# Altium PCB PCB1.PcbDoc (part 2 of 3)
Units mm, origin at the board's own origin, x right, y up, seen from the top; angles counter-clockwise.
Board outline 80 x 100 mm, 4 copper layers (Top Layer, Layer 1, Layer 2, Bottom Layer), stack 1.683 mm thick; 223 components, 229 nets, 969 pads, 380 vias.
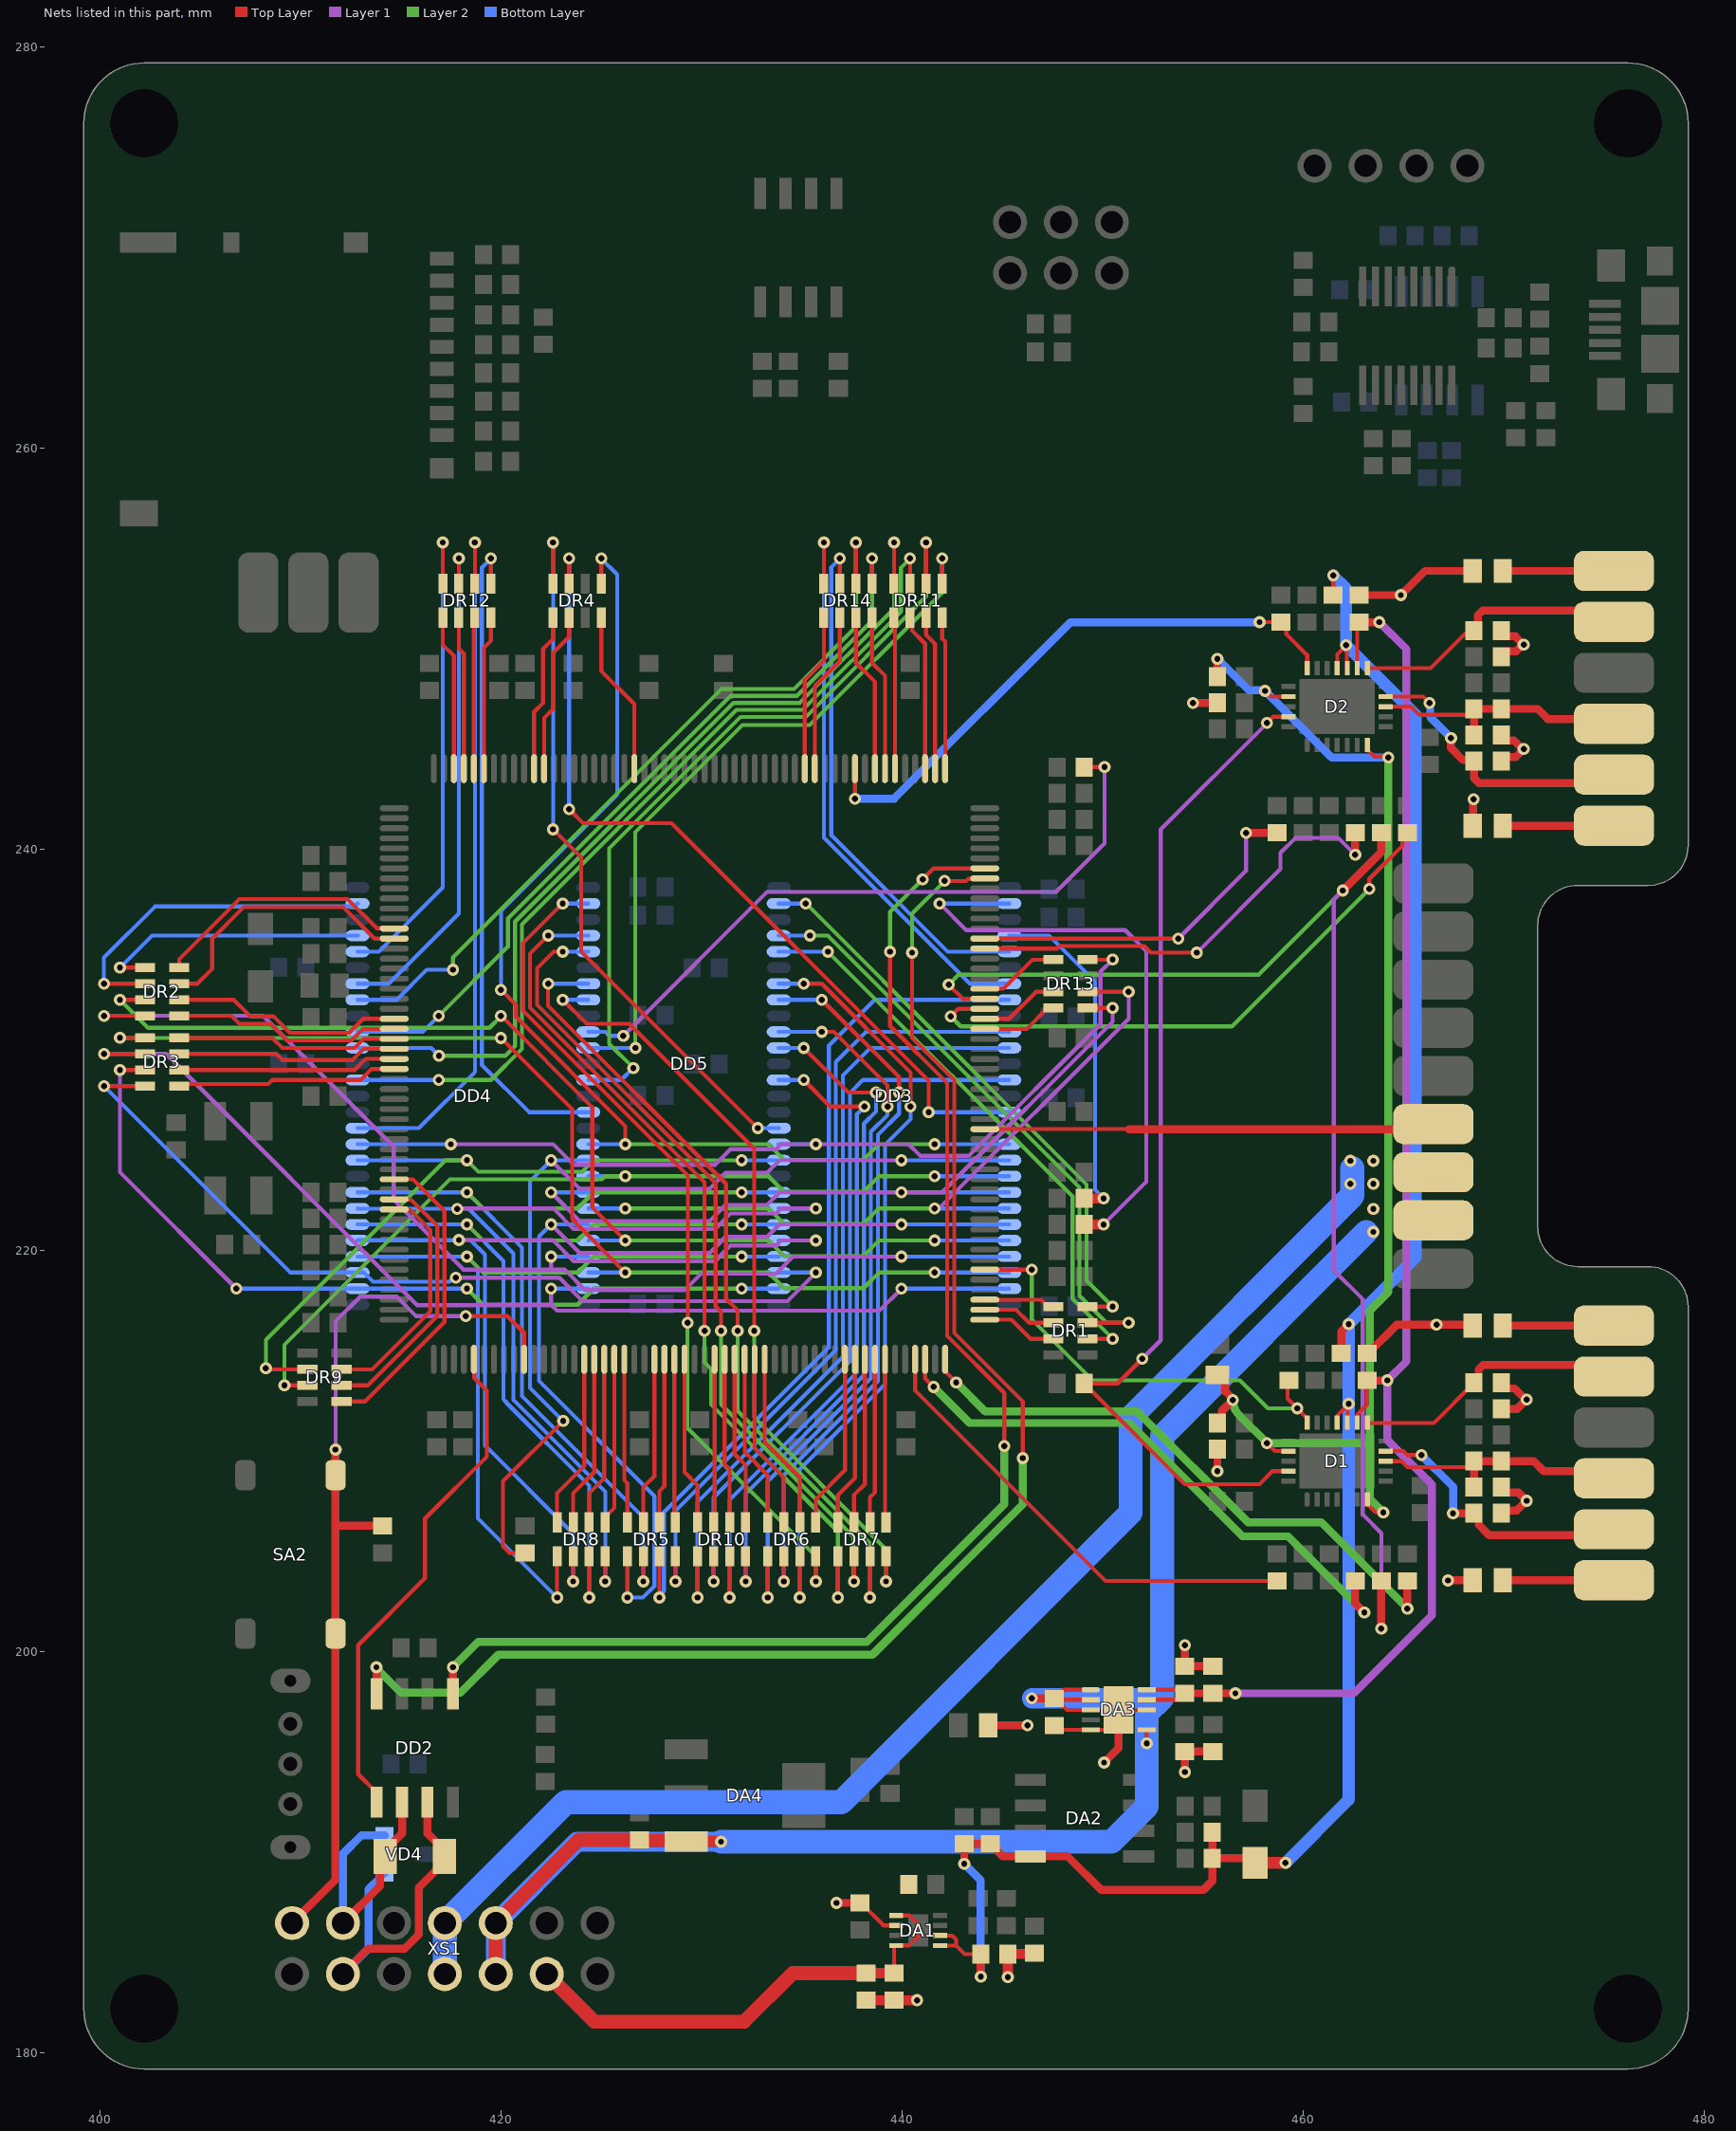
[diagram p4: the nets of this part, all layers, seen from the top]

## Via types
v1: diameter 0.6, hole 0.3, Top Layer to Bottom Layer, tented both sides, 380 vias

## Nets (pads, with @x,y where several pads share a name; then routed paths per layer and width w, separated by ;. In a path a pad name is that pad's centre, name@x,y a point inside that pad or via, vN(x,y) a via of type N, cw(c..) or ccw(c..) an arc to the next point about the centre after c; other vN are vias at no path point) (continued)
4V: C20.1 C21.1 DA3.1 DA3.2 DA3.3 DA3.6 DA4.3 X19.1 XS1.5 XS1.6 | length 100.1
  Top Layer w0.2: DA3.3@449.405,197.1 448.225,197.1 C20.1@447.725,197.6 ; DA3.2@449.405,197.6 C20.1@447.725,197.6 ; DA3.1@449.405,198.1 448.075,198.1 447.65,197.675 C20.1@447.6,197.675 447.675,197.6 C20.1@447.725,197.6 ; DA3.6@452.195,196.1 452.195,195.48 452.2,195.475 v1(452.2,195.425)
  Top Layer w0.4: v1@430.966,190.534 v1(430.975,190.525) ; v1(446.475,197.675) C20.1@447.6,197.675
  Top Layer w0.6: DA4.3@429.239,190.534 v1@430.966,190.534
  Top Layer w0.7: XS1.6@419.74,183.93 XS1.5@419.74,186.47 423.895,190.625 C21.1@426.9,190.625 426.946,190.579 429.194,190.579 DA4.3@429.239,190.534
  Bottom Layer w1: XS1.6@419.74,183.93 XS1.5@419.74,186.47 423.795,190.525 v1(430.975,190.525) ; v1(446.475,197.675) 452.95,197.675 452.975,197.7
  Bottom Layer w1.2: v1(430.975,190.525) 450.45,190.525 452.2,192.275 v1(452.2,195.425) 452.2,196.925 452.975,197.7 452.975,210.75 463.15,220.925
  other v1: 463.5,220.925 463.5,222.075
8V: X18.1 XS1.7 XS1.8 | length 67
  Bottom Layer w1.2: XS1.8@417.2,183.93 XS1.7@417.2,186.47 423.23,192.5 436.975,192.5 451.4,206.925 451.4,211.682 462.45,222.732 462.45,224.1
  other v1: 462.35,223.325 463.5,223.325 462.35,224.475 463.5,224.475
+2v5: C1.1 C2.1 C28.1 C32.1 D1.14 D2.14 DA3.9 DA3.10 | length 76
  Top Layer w0.2: DA3.9@452.195,197.6 453.775,197.6 C28.1@454.1,197.925 453.925,198.1 DA3.10@452.195,198.1 ; D1.14@462.7,211.416 462.727,211.443 462.727,211.852 463.2,212.325 C1.1@463.2,213.525 ; D2.14@462.7,249.032 462.7,251.225 C2.1@462.8,251.325
  Top Layer w0.4: C28.1@454.1,197.925 C32.1@455.5,197.925 v1(456.625,197.925) ; C2.1@462.8,251.325 v1(463.8,251.325) ; C1.1@463.2,213.525 v1(464.2,213.525)
  Layer 1 w0.4: v1(456.625,197.925) 462.525,197.925 466.425,201.825 466.425,208.325 464.2,210.55 v1(464.2,213.525) 465.15,214.475 465.15,249.975 v1(463.8,251.325)
-2v5: C7.2 C8.2 C18.2 C19.2 C22.2 C24.2 C29.2 C30.1 D1.15 D1.16 D2.15 D2.16 DA1.1 DA1.2 DA2.4 | length 106.9
  Top Layer w0.2: DA1.1@441.89,185.35 442.7,185.35 ; DA1.2@441.89,185.85 442.5,185.85 442.7,185.65 442.7,185.35 ; C30.1@443.925,184.925 443.125,184.925 442.7,185.35 ; C8.2@461.5,252.675 v1(461.5,253.65) ; D1.16@461.7,211.416 461.727,211.443 461.727,211.802 v1@462.173,212.248 ; D2.16@461.7,249.032 461.7,249.725 v1(462.15,250.175) 462.175,250.15 462.175,249.057 D2.15@462.2,249.032 ; D1.15@462.2,211.416 462.227,211.443 462.227,212.193 v1@462.173,212.248 ; v1(462.275,212.35) v1@462.173,212.248
  Top Layer w0.4: v1(443.1,189.425) C18.2@443.1,190.425 C19.2@444.4,190.425 444.45,190.425 444.675,190.2 444.675,190.15 445.03,189.795 DA2.4@446.4,189.795 448.255,189.795 449.925,188.125 455.025,188.125 455.475,188.575 C22.2@455.475,189.7 ; v1(443.925,183.8) C30.1@443.925,184.925 ; C24.2@455.475,191 C22.2@455.475,189.7 ; C29.2@457.6,189.475 457.375,189.7 C22.2@455.475,189.7 ; C7.2@461.9,214.875 461.9,215.95 v1(462.275,216.325)
  Top Layer w0.6: C29.2@457.6,189.475 v1(459.125,189.475)
  Bottom Layer w0.4: v1(443.1,189.425) 443.925,188.6 v1(443.925,183.8)
  Bottom Layer w0.6: v1(459.125,189.475) 462.275,192.625 v1(462.275,212.35) v1(462.275,216.325) 465.625,219.675 465.625,246.7 v1(462.15,250.175) 462.15,253 v1(461.5,253.65)
ADC1_C\S\: DD5.102 R12.1 | length 29.4
  Top Layer w0.2: DD5.102@441.15,214.575 441.15,213.625 v1(441.575,213.2)
  Top Layer w0.4: R12.1@462.6,203.525 462.6,202.4 v1(463.05,201.95)
  Layer 2 w0.4: v1(441.575,213.2) 443.375,211.4 451.325,211.4 456.975,205.75 459.25,205.75 v1(463.05,201.95)
ADC1_INN1: D1.13 R19.1 X1.1 | length 14
  Top Layer w0.2: D1.13@463.2,211.416 463.216,211.4 466.525,211.4 R19.1@468.525,213.4
  Top Layer w0.4: R19.1@468.525,213.4 468.75,213.625 468.75,214.066 468.984,214.3 474.92,214.3 X1.1@475.5,213.72
ADC1_INN2: D1.11 R20.1 X4.1 | length 14.2
  Top Layer w0.2: D1.11@464.124,210 465,210 465.2,209.8 v1(465.9,209.8)
  Top Layer w0.4: v1(467.475,206.9) R20.1@468.525,206.9 468.75,206.675 468.75,206.334 469.284,205.8 475.2,205.8 X4.1@475.5,206.1
  Bottom Layer w0.4: v1(465.9,209.8) 467.475,208.225 v1(467.475,206.9)
ADC1_INP2: C11.1 D1.10 R24.1 R24.2 X3.1 | length 13.3
  Top Layer w0.2: D1.10@464.124,209.5 464.9,209.5 465.2,209.2 468.225,209.2 R24.2@468.525,209.5
  Top Layer w0.4: C11.1@468.525,208.2 R24.2@468.525,209.5 R24.1@469.875,209.5 471.5,209.5 472,209 475.14,209 X3.1@475.5,208.64
ADC1_MF: DD5.104 R14.1 | length 29.9
  Top Layer w0.2: DD5.104@442.15,214.575 442.15,213.975 v1(442.7,213.425)
  Top Layer w0.4: v1(465.2,202.15) R14.1@465.2,203.525
  Layer 2 w0.4: v1(442.7,213.425) 444.15,211.975 451.725,211.975 457.25,206.45 460.9,206.45 v1(465.2,202.15)
ADC1_RES: D1.19 DD5.110 R4.2 | length 22.5
  Top Layer w0.2: DD5.110@444.125,219.05 v1(446.475,219.05) ; R4.2@459.3,213.525 459.225,213.45 459.225,212.618 v1(459.712,212.13) 460.2,211.643 D1.19@460.2,211.416
  Layer 2 w0.2: v1(446.475,219.05) 446.475,216.55 449.5,213.525 456.85,213.525 458.245,212.13 v1(459.712,212.13)
ADC2_C\S\: DD5.142 R16.1 | length 23
  Top Layer w0.2: DD5.142@444.125,235.05 447.736,235.05 447.861,235.175 452.075,235.175 452.4,234.85 v1(454.7,234.85) v1@454.65,234.9
  Top Layer w0.4: v1(462.6,239.725) R16.1@462.6,240.825
  Layer 1 w0.2: v1(454.7,234.85) 458.875,239.025 458.875,239.825 459.625,240.575 461.75,240.575 v1(462.6,239.725)
ADC2_INN1: D2.13 R21.1 X7.1 | length 14.1
  Top Layer w0.2: D2.13@463.2,249.032 466.357,249.032 468.225,250.9 R21.1@468.525,250.9
  Top Layer w0.4: R21.1@468.525,250.9 468.708,251.083 468.708,251.666 468.942,251.9 474.94,251.9 X7.1@475.5,251.34
ADC2_INN2: D2.11 R22.1 X10.1 | length 14.5
  Top Layer w0.2: D2.11@464.124,247.616 465.984,247.616 v1(466.3,247.3)
  Top Layer w0.4: v1(467.375,245.55) 467.375,245.05 467.975,244.45 468.475,244.45 R22.1@468.525,244.4 468.525,243.544 468.759,243.309 475.089,243.309 X10.1@475.5,243.72
  Bottom Layer w0.4: v1(466.3,247.3) 466.338,247.262 466.338,246.587 v1(467.375,245.55)
ADC2_INP2: C12.1 D2.10 R26.1 R26.2 X9.1 | length 13.3
  Top Layer w0.2: D2.10@464.124,247.116 465.384,247.116 465.8,246.7 468.225,246.7 R26.2@468.525,247
  Top Layer w0.4: C12.1@468.525,245.7 R26.2@468.525,247 R26.1@469.875,247 471.7,247 472.2,246.5 475.26,246.5 X9.1@475.5,246.26
ADC2_MF: DD5.136 R18.1 | length 29.4
  Top Layer w0.2: v1(442.425,231.675) 442.8,232.05 DD5.136@444.125,232.05 ; v1(463.3,238.025) 463.3,238.525 464.95,240.175 464.95,240.575 R18.1@465.2,240.825
  Layer 2 w0.2: v1(442.425,231.675) 442.925,231.175 456.45,231.175 v1(463.3,238.025)
ADC2_RES: D2.19 DD5.166 R9.2 | length 29.2
  Top Layer w0.2: v1(437.65,242.525) DD5.166@437.65,244.025 ; v1(457.825,251.325) R9.2@458.9,251.325 459.169,251.056 459.169,250.717 460.2,249.686 D2.19@460.2,249.032
  Bottom Layer w0.4: v1(437.65,242.525) 439.606,242.525 448.406,251.325 v1(457.825,251.325)
ADC_CLK: D1.23 D2.23 R67.1 | length 51.5
  Top Layer w0.2: v1(451.975,214.6) 450.75,213.375 R67.1@449.075,213.375 449.075,213.325 449.4,213 449.45,213 454.1,208.35 457.825,208.35 458.475,209 D1.23@459.276,209 ; v1(458.2,246.3) 458.516,246.616 D2.23@459.276,246.616
  Layer 1 w0.2: v1(451.975,214.6) 452.9,215.525 452.9,241 v1(458.2,246.3)
ADC_SYNC: DD5.137 R5.1 R10.1 | length 67.7
  Top Layer w0.2: v1(442.325,233.25) 443.025,232.55 DD5.137@444.125,232.55
  Top Layer w0.4: v1(461.975,237.95) 463.9,239.875 R10.1@463.9,240.825 ; v1(463.9,201.15) 463.9,201.175 R5.1@463.9,203.525
  Layer 1 w0.2: v1(461.975,237.95) 461.525,237.5 461.525,219.025 462.975,217.575 462.975,206.829 463.9,205.904 v1(463.9,201.15)
  Layer 2 w0.2: v1(442.325,233.25) 442.825,233.75 457.775,233.75 v1(461.975,237.95)
AGND: C1.2 C2.2 C9.2 C10.2 C11.2 C12.2 C13.2 C14.2 C15.2 C16.2 C17.2 C20.2 C25.2 C26.2 C28.2 C30.2 C32.2 DA1.6 DA3.5 DA3.8 DA3.11 L1.1 L3.2 L4.2 L5.2 L6.2 R19.2 R20.2 R21.2 R22.2 R28.2 R30.1 | length 52.2
  Top Layer w0.2: C17.2@437.9,187.475 437.95,187.475 439.075,186.35 DA1.6@439.71,186.35 ; C20.2@447.6,196.325 447.825,196.1 DA3.5@449.405,196.1 450.155,196.1 DA3.11@450.8,196.745 ; DA3.11@450.8,197.1 DA3.8@452.195,197.1
  Top Layer w0.4: v1(436.725,187.475) C17.2@437.9,187.475 ; L1.1@444.3,196.325 v1(446.25,196.325) ; v1(450.075,194.475) 450.8,195.2 450.8,196.745 DA3.11@450.8,197.1 ; v1(454.1,194) C25.2@454.1,195.025 R30.1@455.5,195.025 ; v1(454.1,200.325) C28.2@454.1,199.275 C32.2@455.5,199.275 ; v1(454.5,247.3) C10.2@455.725,247.3 ; v1(455.725,209) C9.2@455.725,210.1 ; C2.2@462.8,252.675 v1(464.875,252.675) 466.08,253.88 L5.2@468.45,253.88 ; C1.2@463.2,214.875 463.25,214.875 464.675,216.3 v1(466.65,216.3) 468.41,216.3 L3.2@468.45,216.26 ; v1(467.225,203.55) 467.235,203.56 L4.2@468.45,203.56 ; L6.2@468.45,241.18 468.475,241.205 468.475,242.475 v1(468.5,242.5) ; R20.2@469.875,206.9 470.016,207.041 470.666,207.041 v1(471.15,207.525) 470.75,207.925 470.1,207.925 469.875,208.15 C11.2@469.875,208.2 ; C13.2@469.875,212.1 470.675,212.1 v1(471.15,212.575) 471.096,212.575 470.546,213.125 470.1,213.125 469.875,213.35 R19.2@469.875,213.4 ; R22.2@469.875,244.4 470.087,244.612 470.612,244.612 v1(471,245) ; C12.2@469.875,245.7 469.875,245.65 470.1,245.425 470.521,245.425 v1@470.946,245 ; C14.2@469.875,249.6 469.875,249.65 470.1,249.875 470.621,249.875 v1@470.946,250.2 ; R21.2@469.875,250.9 469.875,250.85 470.1,250.625 470.575,250.625 v1(471,250.2)
  Top Layer w0.5: C17.2@437.9,187.475 C17.2@438.081,187.656 ; C15.2@438.2,182.625 C16.2@439.6,182.625 v1(440.75,182.625) ; v1(445.275,183.775) C30.2@445.275,184.925 446.479,184.925 ccw(c446.479,185.096) C26.2@446.6,184.975
  Layer 2 w0.4: v1@471.15,207.5 v1(471.15,207.525)
AGND_1_EXT: L3.1 X5.1 | length 5.5
  Top Layer w0.4: L3.1@469.95,216.26 X5.1@475.5,216.26
AGND_2_EXT: L4.1 X6.1 | length 5.5
  Top Layer w0.4: L4.1@469.95,203.56 X6.1@475.5,203.56
AGND_3_EXT: L5.1 X11.1 | length 5.5
  Top Layer w0.4: L5.1@469.95,253.88 X11.1@475.5,253.88
AGND_4_EXT: L6.1 X12.1 | length 5.5
  Top Layer w0.4: L6.1@469.95,241.18 X12.1@475.5,241.18
BAT-: C15.1 C16.1 DA1.5 DA1.8 XS1.4 | length 23.9
  Top Layer w0.2: C16.1@439.6,183.975 439.6,185.325 439.625,185.35 DA1.8@439.71,185.35 439.725,185.365 440.365,185.365 440.8,185.8 440.8,186.4 440.4,186.8 440.35,186.85 DA1.5@439.71,186.85
  Top Layer w0.5: C15.1@438.2,183.975 C16.1@439.6,183.975
  Top Layer w0.7: XS1.4@422.28,183.93 424.66,181.55 432.125,181.55 434.55,183.975 C15.1@438.2,183.975
BT_START: DD5.62 R64.2 SA2.1 XS1.13 | length 45.2
  Top Layer w0.2: v1(418.25,216.725) 420.325,216.725 421.15,215.9 DD5.62@421.15,214.575
  Top Layer w0.4: XS1.13@409.58,186.47 411.75,188.64 SA2.1@411.75,200.9 411.75,206.275 ; v1(411.75,210.075) SA2.1@411.75,208.8 411.75,206.275 ; R64.2@414.1,206.275 411.75,206.275
  Layer 1 w0.2: v1(411.75,210.075) 411.75,216.475 412.975,217.7 414.8,217.7 415.775,216.725 v1(418.25,216.725)
CAN1_RX: DD2.4 DD5.149 | length 74.1
  Top Layer w0.2: v1(440.5,234.85) 440.5,230.595 442.6,228.495 442.6,215.895 446.025,212.47 v1(446.025,209.65) ; v1(442.125,238.425) 443.2,238.425 443.306,238.531 444.106,238.531 DD5.149@444.125,238.55
  Top Layer w0.4: v1(413.79,199.225) 413.795,199.22 DD2.4@413.795,197.9
  Layer 2 w0.2: v1(440.5,234.85) 440.5,236.8 v1(442.125,238.425)
  Layer 2 w0.4: v1(413.79,199.225) 413.79,199.171 415.011,197.95 417.975,197.95 419.875,199.85 438.525,199.85 446.025,207.35 v1(446.025,209.65)
CAN1_TX: DD2.1 DD5.150 | length 69.7
  Top Layer w0.2: v1(439.4,234.9) 439.4,231.2 442.25,228.35 442.25,215.75 445.1,212.9 v1(445.1,210.25) ; v1(441.025,238.5) 441.575,239.05 DD5.150@444.125,239.05
  Top Layer w0.4: v1(417.6,199.225) 417.605,199.22 DD2.1@417.605,197.9
  Layer 2 w0.2: v1(439.4,234.9) 439.4,236.875 v1(441.025,238.5)
  Layer 2 w0.4: v1(417.6,199.225) 418.875,200.5 438.25,200.5 445.1,207.35 v1(445.1,210.25)
CAN_H: DD2.7 R48.1 VD4.1 XS1.12 | length 18
  Top Layer w0.4: XS1.12@412.12,183.93 413.39,185.2 415.2,185.2 415.9,185.9 415.9,188.225 417.175,189.5 R48.1@417.175,189.8 417.175,190.1 416.335,190.94 DD2.7@416.335,192.5
  Bottom Layer w0.4: XS1.12@412.12,183.93 413.4,185.21 413.4,188.15 413.95,188.7 413.95,188.75 414.15,188.95 VD4.1@414.2,188.95
CAN_L: DD2.6 R48.2 VD4.2 XS1.11 | length 13.2
  Top Layer w0.4: XS1.11@412.12,186.47 413.975,188.325 413.975,189.55 R48.2@414.225,189.8 414.225,190.1 415.065,190.94 DD2.6@415.065,192.5
  Bottom Layer w0.4: XS1.11@412.12,186.47 412.12,189.92 413.05,190.85 VD4.2@414.2,190.85
CAN_VCC_EN: DD2.5 DD5.57 | length 25.4
  Top Layer w0.2: DD2.5@413.795,192.5 413.795,192.975 412.875,193.895 412.875,200.325 416.213,203.663 416.213,206.635 419.3,209.722 419.3,213.02 418.669,213.651 418.669,214.556 DD5.57@418.65,214.575
CS_1: DD5.124 X17.1 | length 22.5
  Top Layer w0.2: DD5.124@444.125,226.05 451.325,226.05
  Top Layer w0.4: 451.325,226.05 466.25,226.05 X17.1@466.5,226.3
D\R\D\Y\: DD5.101 R1.1 | length 23.5
  Top Layer w0.2: DD5.101@440.65,214.575 440.65,213.025 450.15,203.525 R1.1@458.7,203.525
D\R\D\Y\_\2\: DD5.143 R6.1 | length 17.9
  Top Layer w0.2: DD5.143@444.125,235.55 v1(453.775,235.55)
  Top Layer w0.4: v1(457.15,240.825) R6.1@458.7,240.825
  Layer 1 w0.2: v1(453.775,235.55) 457.15,238.925 v1(457.15,240.825)
DGND: C3.2 C4.2 D1.7 D1.21 D2.7 D2.21 L2.1 | length 66
  Top Layer w0.2: v1(458.1,247.9) 458.384,247.616 D2.21@459.276,247.616 ; v1(458.2,210.4) 458.6,210 D1.21@459.276,210 ; D1.7@463.2,207.584 463.2,207.357 463.607,206.95 v1(464,206.95) ; D2.7@463.2,245.2 463.2,244.973 463.55,244.623 464.202,244.623 v1(464.25,244.575)
  Top Layer w0.4: C3.2@455.725,211.4 455.95,211.625 455.95,212 v1(456.5,212.55) 456.5,212.604 456.125,212.979 456.125,213.545 455.87,213.8 L2.1@455.725,213.8 ; C4.2@455.725,248.6 v1(455.725,249.5)
  Layer 2 w0.4: v1(456.5,212.55) ccw(c457.586,212.55) 456.818,211.782 v1(458.2,210.4) 463.325,210.4 ; v1(464,206.95) 463.325,207.625 463.325,217 464.25,217.925 v1(464.25,244.575)
  Bottom Layer w0.4: v1(455.725,249.5) 457.287,247.938 458.062,247.938 v1(458.1,247.9) 461.425,244.575 v1(464.25,244.575)
DR1_1: DD5.107 DR1.8 | length 3.6
  Top Layer w0.2: DD5.107@444.125,217.55 446.925,217.55 447.275,217.2 DR1.8@447.55,217.2
DR1_2: DD5.106 DR1.7 | length 3.7
  Top Layer w0.2: DD5.106@444.125,217.05 445.686,217.05 446.336,216.4 DR1.7@447.55,216.4
DR1_3: DD5.105 DR1.6 | length 3.8
  Top Layer w0.2: DD5.105@444.125,216.55 445.45,216.55 446.4,215.6 DR1.6@447.55,215.6
DR2_1: DD5.23 DR2.8 | length 11.5
  Top Layer w0.2: DR2.8@403.95,231.7 406.55,231.7 406.95,231.3 408.5,231.3 409.325,230.475 412.545,230.475 413.12,231.05 DD5.23@414.675,231.05
DR2_2: DD5.22 DR2.7 | length 11.7
  Top Layer w0.2: DR2.7@403.95,232.5 406.675,232.5 407.5,231.675 408.65,231.675 409.475,230.85 412.425,230.85 413.125,231.55 DD5.22@414.675,231.55
DR2_3: DD5.14 DR2.6 | length 13.8
  Top Layer w0.2: DR2.6@403.95,233.3 404.85,233.3 405.6,234.05 405.6,235.55 407.175,237.125 412.125,237.125 413.7,235.55 DD5.14@414.675,235.55
DR2_4: DD5.13 DR2.5 | length 13
  Top Layer w0.2: DR2.5@403.95,234.1 403.95,234.525 406.95,237.525 412.35,237.525 413.806,236.069 414.656,236.069 DD5.13@414.675,236.05
DR3_1: DD5.24 DR3.1 | length 11.1
  Top Layer w0.2: DR3.1@403.95,230.6 408.6,230.6 409.1,230.1 412.7,230.1 413.15,230.55 DD5.24@414.675,230.55
DR3_2: DD5.25 DR3.2 | length 11.1
  Top Layer w0.2: DR3.2@403.95,229.8 408.8,229.8 409.1,229.5 412.6,229.5 413.15,230.05 DD5.25@414.675,230.05
DR3_3: DD5.26 DR3.3 | length 11
  Top Layer w0.2: DR3.3@403.95,229 412.7,229 413.25,229.55 DD5.26@414.675,229.55
DR3_4: DD5.27 DR3.4 | length 11.1
  Top Layer w0.2: DR3.4@403.95,228.2 404.05,228.3 408.4,228.3 408.6,228.5 413,228.5 413.55,229.05 DD5.27@414.675,229.05
DR4_1: DD5.188 DR4.1 | length 8.2
  Top Layer w0.2: DR4.1@425,251.55 425,248.9 426.65,247.25 DD5.188@426.65,244.025
DR4_3: DD5.197 DR4.3 | length 8
  Top Layer w0.2: DD5.197@422.15,244.025 422.15,246.55 422.6,247 422.6,249.8 423.4,250.6 DR4.3@423.4,251.55
DR4_4: DD5.198 DR4.4 | length 7.9
  Top Layer w0.2: DD5.198@421.65,244.025 421.65,246.85 422.1,247.3 422.1,250 422.6,250.5 DR4.4@422.6,251.55
DR5_1: DD5.72 DR5.1 | length 8.2
  Top Layer w0.2: DD5.72@426.15,214.575 426.15,208.55 426.3,208.4 DR5.1@426.3,206.45
DR5_2: DD5.75 DR5.2 | length 8.4
  Top Layer w0.2: DR5.2@427.1,206.45 427.1,208.2 427.65,208.75 DD5.75@427.65,214.575
DR5_3: DD5.76 DR5.3 | length 8.2
  Top Layer w0.2: DR5.3@427.9,206.45 427.9,208 428.15,208.25 DD5.76@428.15,214.575
DR5_4: DD5.77 DR5.4 | length 8.1
  Top Layer w0.2: DD5.77@428.65,214.575 428.65,206.5 DR5.4@428.7,206.45
DR6_1: DD5.94 DR6.8 | length 8.7
  Top Layer w0.2: DR6.8@435.7,206.45 435.7,207.6 437.15,209.05 DD5.94@437.15,214.575
DR6_2: DD5.86 DR6.7 | length 8.8
  Top Layer w0.2: DD5.86@433.15,214.575 433.15,210.45 434.9,208.7 DR6.7@434.9,206.45
DR6_3: DD5.85 DR6.6 | length 8.7
  Top Layer w0.2: DD5.85@432.65,214.575 432.65,210.15 434.1,208.7 DR6.6@434.1,206.45
DR6_4: DD5.84 DR6.5 | length 8.6
  Top Layer w0.2: DD5.84@432.15,214.575 432.15,209.95 433.3,208.8 DR6.5@433.3,206.45
DR7_1: DD5.98 DR7.8 | length 8.1
  Top Layer w0.2: DD5.98@439.15,214.575 439.15,206.5 DR7.8@439.2,206.45
DR7_2: DD5.97 DR7.7 | length 8.2
  Top Layer w0.2: DR7.7@438.4,206.45 438.4,207.7 438.65,207.95 DD5.97@438.65,214.575
DR7_3: DD5.96 DR7.6 | length 8.4
  Top Layer w0.2: DR7.6@437.6,206.45 437.6,207.8 438.15,208.35 DD5.96@438.15,214.575
DR7_4: DD5.95 DR7.5 | length 8.5
  Top Layer w0.2: DR7.5@436.8,206.45 436.8,207.8 437.65,208.65 DD5.95@437.65,214.575
DR8_1: DD5.71 DR8.8 | length 8.3
  Top Layer w0.2: DR8.8@425.2,206.45 425.2,206.725 425.65,207.175 DD5.71@425.65,214.575
DR8_2: DD5.70 DR8.7 | length 8.4
  Top Layer w0.2: DR8.7@424.4,206.45 424.4,207.9 425.15,208.65 DD5.70@425.15,214.575
DR8_3: DD5.69 DR8.6 | length 8.6
  Top Layer w0.2: DR8.6@423.6,206.45 423.6,207.9 424.65,208.95 DD5.69@424.65,214.575
DR8_4: DD5.68 DR8.5 | length 8.7
  Top Layer w0.2: DR8.5@422.8,206.45 422.8,207.9 424.15,209.25 DD5.68@424.15,214.575
DR9_1: DD5.38 DR9.8 | length 15.5
  Top Layer w0.2: DR9.8@412.05,212.475 413.225,212.475 417.175,216.425 417.175,221.975 415.6,223.55 DD5.38@414.675,223.55
DR9_2: DD5.40 DR9.7 | length 13.4
  Top Layer w0.2: DR9.7@412.05,213.275 413.35,213.275 416.825,216.75 416.825,221.225 415.519,222.531 414.694,222.531 DD5.40@414.675,222.55
DR9_3: DD5.41 DR9.6 | length 11.9
  Top Layer w0.2: DR9.6@412.05,214.075 413.575,214.075 416.475,216.975 416.475,221.025 415.469,222.031 414.694,222.031 DD5.41@414.675,222.05
DR10_1: DD5.83 DR10.8 | length 8.4
  Top Layer w0.2: DD5.83@431.65,214.575 431.65,209.85 432.2,209.3 DR10.8@432.2,206.45
DR10_2: DD5.82 DR10.7 | length 8.2
  Top Layer w0.2: DD5.82@431.15,214.575 431.15,209.35 431.4,209.1 DR10.7@431.4,206.45
DR10_3: DD5.81 DR10.6 | length 8.1
  Top Layer w0.2: DR10.6@430.6,206.45 430.65,206.5 DD5.81@430.65,214.575
DR10_4: DD5.78 DR10.5 | length 8.4
  Top Layer w0.2: DD5.78@429.15,214.575 429.15,208.95 429.8,208.3 DR10.5@429.8,206.45
DR11_1: DD5.157 DR11.1 | length 7.6
  Top Layer w0.2: DR11.1@442,251.55 442,250.5 442.15,250.35 DD5.157@442.15,244.025
DR11_2: DD5.158 DR11.2 | length 7.7
  Top Layer w0.2: DR11.2@441.2,251.55 441.2,250.695 441.65,250.245 DD5.158@441.65,244.025
DR11_3: DD5.159 DR11.3 | length 7.8
  Top Layer w0.2: DR11.3@440.4,251.55 440.5,251.45 440.5,250.9 441.15,250.25 DD5.159@441.15,244.025
DR11_4: DD5.162 DR11.4 | length 7.5
  Top Layer w0.2: DR11.4@439.6,251.55 439.65,251.5 DD5.162@439.65,244.025
DR12_1: DD5.203 DR12.1 | length 7.7
  Top Layer w0.2: DD5.203@419.15,244.025 419.15,250.05 419.5,250.4 DR12.1@419.5,251.55
DR12_2: DD5.204 DR12.2 | length 7.5
  Top Layer w0.2: DD5.204@418.65,244.025 418.65,251.5 DR12.2@418.7,251.55
DR12_3: DD5.205 DR12.3 | length 7.6
  Top Layer w0.2: DR12.3@417.9,251.55 417.9,250 418.15,249.75 DD5.205@418.15,244.025
DR12_4: DD5.206 DR12.4 | length 7.8
  Top Layer w0.2: DR12.4@417.1,251.55 417.1,250.2 417.65,249.65 DD5.206@417.65,244.025
DR13_1: DD5.138 DR13.8 | length 4
  Top Layer w0.2: DD5.138@444.125,233.05 445.05,233.05 446.5,234.5 DR13.8@447.55,234.5
DR13_3: DD5.135 DR13.6 | length 4
  Top Layer w0.2: DD5.135@444.125,231.55 445.336,231.55 446.686,232.9 DR13.6@447.55,232.9
DR13_4: DD5.134 DR13.5 | length 3.9
  Top Layer w0.2: DD5.134@444.125,231.05 446.225,231.05 447.275,232.1 DR13.5@447.55,232.1
DR14_1: DD5.163 DR14.1 | length 7.8
  Top Layer w0.2: DR14.1@438.5,251.55 438.5,249.3 439.15,248.65 DD5.163@439.15,244.025
DR14_2: DD5.164 DR14.2 | length 7.9
  Top Layer w0.2: DR14.2@437.7,251.55 437.7,249.3 438.65,248.35 DD5.164@438.65,244.025
DR14_3: DD5.170 DR14.3 | length 8
  Top Layer w0.2: DD5.170@435.65,244.025 435.65,248.15 436.9,249.4 DR14.3@436.9,251.55
DR14_4: DD5.171 DR14.4 | length 7.9
  Top Layer w0.2: DD5.171@435.15,244.025 435.15,248.45 436.1,249.4 DR14.4@436.1,251.55
FMC_A0: DD3.23 DD4.23 DR2.2 | length 56.5
  Top Layer w0.2: v1(401,232.5) 401.2,232.5 DR2.2@402.25,232.5 ; v1(420,231.7) 424.55,227.15 424.55,222.15 v1(426.2,220.5)
  Layer 2 w0.2: v1(401,232.5) 402.4,231.1 419.425,231.1 v1@420.013,231.687 ; v1(426.2,220.5) 433.35,220.5 434.125,219.725 438.075,219.725 438.85,220.5 v1(441.625,220.5)
  Bottom Layer w0.2: DD4.23@424.35,220.5 v1(426.2,220.5) ; v1(441.625,220.5) DD3.23@445.35,220.5
FMC_A1: DD3.24 DD4.24 DR2.1 | length 57.6
  Top Layer w0.2: v1(400.2,231.7) DR2.1@402.25,231.7
  Layer 1 w0.2: v1(400.2,231.7) 408.125,231.7 414.65,225.175 414.65,222.528 418.128,219.05 422.5,219.05 ; v1(422.5,219.7) 422.5,219.05 ; v1(439.975,219.7) 434.575,219.7 433.725,218.85 429.975,218.85 429.15,218.025 424.2,218.025 423.175,219.05 422.5,219.05
  Bottom Layer w0.2: v1(422.5,219.7) DD4.24@424.35,219.7 ; v1(439.975,219.7) DD3.24@445.35,219.7
FMC_A2: DD3.25 DD4.25 DR3.8 | length 56.2
  Top Layer w0.2: v1(401,230.6) 401.2,230.6 DR3.8@402.25,230.6 ; v1(420,230.597) 423.55,227.047 423.55,221.55 v1(426.2,218.9)
  Layer 2 w0.2: v1(401,230.6) 420.037,230.6 v1@420.04,230.597 ; v1(426.2,218.9) 433.35,218.9 434.125,218.125 438.075,218.125 438.85,218.9 v1(441.625,218.9)
  Bottom Layer w0.2: DD4.25@424.35,218.9 v1(426.2,218.9) ; v1(441.625,218.9) DD3.25@445.35,218.9
FMC_A3: DD3.26 DD4.26 DR3.7 | length 55.6
  Top Layer w0.2: v1(400.2,229.8) DR3.7@402.25,229.8
  Layer 1 w0.2: v1(400.2,229.8) 403.3,229.8 415.825,217.275 422.5,217.275 ; v1(422.5,218.1) 422.5,217.3 422.8,217 438.875,217 v1(439.975,218.1)
  Bottom Layer w0.2: v1(422.5,218.1) DD4.26@424.35,218.1 ; v1(439.975,218.1) DD3.26@445.35,218.1
FMC_A4: DD3.29 DD4.29 DR3.6 | length 42.3
  Top Layer w0.2: v1(401,229) 401.2,229 DR3.6@402.25,229
  Layer 1 w0.2: v1(401,229) 401,223.9 v1(406.8,218.1)
  Layer 2 w0.2: v1(418.3,218.1) 419.1,217.3 423.825,217.3 424.625,218.1 v1(432,218.1)
  Bottom Layer w0.2: v1(406.8,218.1) DD4.29@412.85,218.1 v1(418.3,218.1) ; v1(432,218.1) DD3.29@433.85,218.1
FMC_A5: DD3.30 DD4.30 DR3.5 | length 44.6
  Top Layer w0.2: v1(400.2,228.2) DR3.5@402.25,228.2
  Layer 1 w0.2: v1(417.75,218.65) 422.9,218.65 424.075,217.475 434.275,217.475 v1(435.7,218.9)
  Bottom Layer w0.2: v1(400.2,228.2) 409.5,218.9 DD4.30@412.85,218.9 413.175,218.9 413.625,218.45 417.442,218.45 417.642,218.65 v1(417.75,218.65) ; DD3.30@433.85,218.9 v1(435.7,218.9)
FMC_A6: DD3.31 DD4.31 DR8.4 | length 42.6
  Top Layer w0.2: v1(422.8,202.7) DR8.4@422.8,204.75
  Layer 2 w0.2: v1(418.3,219.7) 419.1,218.9 423.825,218.9 424.625,219.7 v1(432,219.7)
  Bottom Layer w0.2: DD4.31@412.85,219.7 v1(418.3,219.7) 418.85,219.15 418.85,206.65 v1(422.8,202.7) ; v1(432,219.7) DD3.31@433.85,219.7
FMC_A7: DD3.32 DD4.32 DR8.3 | length 46.5
  Top Layer w0.2: v1(423.6,203.5) 423.6,203.7 DR8.3@423.6,204.75
  Layer 1 w0.2: v1(417.9,220.525) 422.575,220.525 423.625,219.475 430.675,219.475 431.45,220.25 433.725,220.25 433.975,220.5 v1(435.7,220.5)
  Bottom Layer w0.2: DD4.32@412.85,220.5 412.863,220.513 417.888,220.513 v1(417.9,220.525) 418.475,220.525 419.2,219.8 419.2,210.28 423.6,205.88 v1(423.6,203.5) ; DD3.32@433.85,220.5 v1(435.7,220.5)
FMC_A8: DD3.33 DD4.33 DR8.2 | length 44.8
  Top Layer w0.2: v1(424.4,202.7) DR8.2@424.4,204.75
  Layer 2 w0.2: v1(418.3,221.3) 419.1,220.5 423.825,220.5 424.625,221.3 v1(432,221.3)
  Bottom Layer w0.2: DD4.33@412.85,221.3 v1(418.3,221.3) 420.125,219.475 420.125,212.575 420.275,212.425 420.275,212.405 424.4,208.28 v1(424.4,202.7) ; v1(432,221.3) DD3.33@433.85,221.3
FMC_A9: DD3.34 DD4.34 DR8.1 | length 48.8
  Top Layer w0.2: v1(425.2,203.5) 425.2,203.7 DR8.1@425.2,204.75
  Layer 1 w0.2: v1(417.825,222.075) 417.85,222.1 422.6,222.1 423.625,221.075 430.675,221.075 431.45,221.85 433.725,221.85 433.975,222.1 v1(435.7,222.1)
  Bottom Layer w0.2: DD4.34@412.85,222.1 412.863,222.087 418.388,222.087 420.625,219.85 420.625,212.55 425.2,207.975 v1(425.2,203.5) ; DD3.34@433.85,222.1 v1(435.7,222.1)
FMC_A10: DD3.22 DD4.22 DR5.8 | length 50.2
  Top Layer w0.2: v1(426.3,202.7) DR5.8@426.3,204.75
  Layer 1 w0.2: v1(422.5,221.3) 423.925,219.875 430.4,219.875 431.2,220.675 433.275,220.675 433.9,221.3 v1(439.975,221.3)
  Bottom Layer w0.2: DD4.22@424.35,221.3 v1(422.5,221.3) 421.9,220.7 421.9,213.5 427.65,207.75 427.65,203.272 427.078,202.7 v1(426.3,202.7) ; v1(439.975,221.3) DD3.22@445.35,221.3
FMC_A11: DD3.35 DD4.35 DR5.7 | length 46
  Top Layer w0.2: v1(427.1,203.5) 427.1,203.7 DR5.7@427.1,204.75
  Layer 2 w0.2: v1(418.3,222.9) 419.1,222.1 423.825,222.1 424.625,222.9 v1(432,222.9)
  Bottom Layer w0.2: DD4.35@412.85,222.9 v1(418.3,222.9) 421.05,220.15 421.05,212.75 427.1,206.7 v1(427.1,203.5) ; v1(432,222.9) DD3.35@433.85,222.9
FMC_BA0: DD3.20 DD4.20 DR13.4 | length 41.9
  Top Layer w0.2: DR13.4@449.25,232.1 450.3,232.1 v1(450.5,232.1)
  Layer 1 w0.2: v1(422.5,222.9) 423.925,221.475 430.4,221.475 431.2,222.275 433.275,222.275 433.9,222.9 v1(439.975,222.9) 442,222.9 450.5,231.4 v1(450.5,232.1)
  Bottom Layer w0.2: v1(422.5,222.9) DD4.20@424.35,222.9 ; v1(439.975,222.9) DD3.20@445.35,222.9
FMC_BA1: DD3.21 DD4.21 DR13.3 | length 38.6
  Top Layer w0.2: DR13.3@449.25,232.9 v1(451.3,232.9)
  Layer 1 w0.2: v1(441.625,222.1) 441.85,222.1 451.3,231.55 v1(451.3,232.9)
  Layer 2 w0.2: v1(426.2,222.1) 433.35,222.1 434.125,221.325 438.075,221.325 438.85,222.1 v1(441.625,222.1)
  Bottom Layer w0.2: DD4.21@424.35,222.1 v1(426.2,222.1) ; v1(441.625,222.1) DD3.21@445.35,222.1
FMC_D0: DD3.2 R68.1 | length 30.2
  Top Layer w0.5: R68.1@449.075,221.3 v1(450.05,221.3)
  Layer 1 w0.2: v1(441.875,237.3) 443.199,235.976 451.124,235.976 452.175,234.925 452.175,223.425 v1(450.05,221.3)
  Bottom Layer w0.2: v1(441.875,237.3) DD3.2@445.35,237.3
FMC_D1: DD3.4 R69.1 | length 17.2
  Top Layer w0.5: R69.1@449.075,222.6 v1(450.05,222.6)
  Bottom Layer w0.2: DD3.4@445.35,235.7 447.325,235.7 449.625,233.4 449.625,223.025 v1(450.05,222.6)
FMC_D2: DD3.5 DR14.6 | length 26.5
  Top Layer w0.2: DR14.6@436.9,253.25 436.9,254.3 v1(436.9,254.5)
  Bottom Layer w0.2: v1(436.9,254.5) 436.475,254.075 436.475,240.7 442.275,234.9 DD3.5@445.35,234.9
FMC_D3: DD3.7 DR14.5 | length 29
  Top Layer w0.2: DR14.5@436.1,253.25 v1(436.1,255.3)
  Bottom Layer w0.2: v1(436.1,255.3) 436.1,240.58 443.38,233.3 DD3.7@445.35,233.3
FMC_D4: DD3.8 DR5.6 | length 43
  Top Layer w0.2: v1(427.9,202.7) DR5.6@427.9,204.75
  Bottom Layer w0.2: v1(427.9,202.7) 427.9,202.796 428.121,203.017 428.121,203.249 428.125,203.252 428.125,206.95 436.35,215.175 436.35,230.225 438.625,232.5 DD3.8@445.35,232.5
FMC_D5: DD3.10 DR5.5 | length 39.7
  Top Layer w0.2: v1(428.7,203.5) 428.7,203.7 DR5.5@428.7,204.75
  Bottom Layer w0.2: v1(428.7,203.5) 428.7,207.03 436.7,215.03 436.7,229.4 438.2,230.9 DD3.10@445.35,230.9
FMC_D6: DD3.11 DR10.4 | length 39.9
  Top Layer w0.2: v1(429.8,202.7) DR10.4@429.8,204.75
  Bottom Layer w0.2: v1(429.8,202.7) 429.8,207.45 437.05,214.7 437.05,228.725 438.425,230.1 DD3.11@445.35,230.1
FMC_D7: DD3.13 DR10.3 | length 36.6
  Top Layer w0.2: v1(430.6,203.5) 430.6,203.7 DR10.3@430.6,204.75
  Bottom Layer w0.2: v1(430.6,203.5) 430.6,207.675 437.4,214.475 437.4,227.85 438.05,228.5 DD3.13@445.35,228.5
FMC_D8: DD3.42 DR10.2 | length 34.1
  Top Layer w0.2: v1(431.4,202.7) DR10.2@431.4,204.75 ; v1(435.1,228.5) 436.425,227.175 v1(438.125,227.175)
  Bottom Layer w0.2: v1(431.4,202.7) 431.4,207.575 437.75,213.925 437.75,226.8 v1(438.125,227.175) ; DD3.42@433.85,228.5 v1(435.1,228.5)
FMC_D9: DD3.44 DR10.1 | length 34.1
  Top Layer w0.2: v1(432.2,203.5) 432.2,203.7 DR10.1@432.2,204.75 ; v1(435.1,230.1) 437.325,227.875 v1(438.7,227.875)
  Bottom Layer w0.2: v1(432.2,203.5) 432.2,207.88 438.1,213.78 438.1,226.325 438.7,226.925 v1(438.7,227.875) ; DD3.44@433.85,230.1 v1(435.1,230.1)
FMC_D10: DD3.45 DR6.4 | length 36.6
  Top Layer w0.2: v1(433.3,202.7) DR6.4@433.3,204.75 ; v1(436,230.9) 436.6,230.9 439.275,228.225 v1(439.275,227.175)
  Bottom Layer w0.2: v1(433.3,202.7) 433.3,208.485 438.45,213.635 438.45,225.925 439.275,226.75 v1(439.275,227.175) ; DD3.45@433.85,230.9 v1(436,230.9)
FMC_D11: DD3.47 DR6.3 | length 36.4
  Top Layer w0.2: v1(434.1,203.5) 434.1,203.7 DR6.3@434.1,204.75 ; v1(436,232.5) 439.85,228.65 v1(439.85,227.875)
  Bottom Layer w0.2: DD3.47@433.85,232.5 v1(436,232.5) ; v1(434.1,203.5) 434.1,208.79 438.8,213.49 438.8,225.775 439.85,226.825 v1(439.85,227.875)
FMC_D12: DD3.48 DR6.2 | length 38.9
  Top Layer w0.2: v1(434.9,202.7) DR6.2@434.9,204.75 ; v1(435.1,233.3) 436,233.3 440.425,228.875 v1(440.425,227.175)
  Bottom Layer w0.2: DD3.48@433.85,233.3 v1(435.1,233.3) ; v1(434.9,202.7) 434.9,209.095 439.15,213.345 439.15,225.275 440.425,226.55 v1(440.425,227.175)
FMC_D13: DD3.50 DR1.3 | length 28.9
  Top Layer w0.2: DR1.3@449.25,215.6 450.3,215.6 v1(450.5,215.6)
  Layer 2 w0.2: v1(436.3,234.9) 448.5,222.7 448.5,217.6 v1(450.5,215.6)
  Bottom Layer w0.2: DD3.50@433.85,234.9 v1(436.3,234.9)
FMC_D14: DD3.51 DR1.2 | length 30.7
  Top Layer w0.2: DR1.2@449.25,216.4 v1(451.3,216.4)
  Layer 2 w0.2: v1(435.4,235.7) 436.3,235.7 448.85,223.15 448.85,217.745 450.195,216.4 v1(451.3,216.4)
  Bottom Layer w0.2: DD3.51@433.85,235.7 v1(435.4,235.7)
FMC_D15: DD3.53 DR1.1 | length 29
  Top Layer w0.2: DR1.1@449.25,217.2 450.3,217.2 v1(450.5,217.2)
  Layer 2 w0.2: v1(435.2,237.3) 439.097,233.403 439.097,233.397 449.2,223.295 449.2,218.5 v1(450.5,217.2)
  Bottom Layer w0.2: DD3.53@433.85,237.3 v1(435.2,237.3)
FMC_D16: DD4.2 DR6.1 | length 43.2
  Top Layer w0.2: v1(423.075,237.3) 421.1,235.325 421.1,231.965 429.325,223.74 429.325,216.425 v1(429.3,216.4) ; v1(435.7,203.5) 435.7,203.7 DR6.1@435.7,204.75
  Layer 2 w0.2: v1(429.3,216.4) 429.3,211.15 435.7,204.75 v1(435.7,203.5)
  Bottom Layer w0.2: v1(423.075,237.3) DD4.2@424.35,237.3
FMC_D17: DD4.4 DR7.4 | length 43.8
  Top Layer w0.2: v1(422.35,235.7) 421.45,234.8 421.45,232.11 430.15,223.41 v1(430.15,216) ; v1(436.8,202.7) DR7.4@436.8,204.75
  Layer 2 w0.2: v1(430.15,216) 430.15,214.421 430.475,214.096 430.475,212.325 436.8,206 v1(436.8,202.7)
  Bottom Layer w0.2: v1(422.35,235.7) DD4.4@424.35,235.7
FMC_D18: DD4.5 DR7.3 | length 41.3
  Top Layer w0.2: v1(423.075,234.9) 422.625,234.9 421.8,234.075 421.8,232.255 430.7,223.355 430.7,217.217 430.975,216.942 v1(430.975,216) ; v1(437.6,203.5) 437.6,203.7 DR7.3@437.6,204.75
  Layer 2 w0.2: v1(430.975,216) 430.975,212.335 437.575,205.735 437.575,203.525 v1(437.6,203.5)
  Bottom Layer w0.2: v1(423.075,234.9) DD4.5@424.35,234.9
FMC_D19: DD4.7 DR7.2 | length 41.3
  Top Layer w0.2: v1(422.35,233.3) 422.35,232.2 431.225,223.325 431.225,217.6 431.8,217.025 v1(431.8,216) ; v1(438.4,202.7) DR7.2@438.4,204.75
  Layer 2 w0.2: v1(431.8,216) 431.8,212.005 438.4,205.405 v1(438.4,202.7)
  Bottom Layer w0.2: v1(422.35,233.3) DD4.7@424.35,233.3
FMC_D20: DD4.8 DR7.1 | length 39.4
  Top Layer w0.2: v1(423.075,232.5) 424.275,231.3 426.4,231.3 432.625,225.075 v1(432.625,216) ; v1(439.2,203.5) 439.2,203.7 DR7.1@439.2,204.75
  Layer 2 w0.2: v1(432.625,216) 432.625,211.675 439.2,205.1 v1(439.2,203.5)
  Bottom Layer w0.2: v1(423.075,232.5) DD4.8@424.35,232.5
FMC_D21: DD4.10 R73.1 | length 34.6
  Top Layer w0.2: R73.1@449.075,244.1 v1(450.1,244.1)
  Layer 1 w0.2: v1(426.1,230.7) 433.275,237.875 447.675,237.875 450.1,240.3 v1(450.1,244.1)
  Bottom Layer w0.2: DD4.10@424.35,230.9 425.2,230.9 425.4,230.7 v1(426.1,230.7)
FMC_D22: DD4.11 DR11.8 | length 36.3
  Top Layer w0.2: DR11.8@442,253.25 442,254.3 v1(442,254.5)
  Layer 2 w0.2: v1(426.7,230.1) 426.7,240.855 432.045,246.2 435.4,246.2 442,252.8 v1(442,254.5)
  Bottom Layer w0.2: DD4.11@424.35,230.1 v1(426.7,230.1)
FMC_D23: DD4.13 DR11.7 | length 39.7
  Top Layer w0.2: DR11.7@441.2,253.25 v1(441.2,255.3)
  Layer 2 w0.2: v1(426.6,229.1) 425.4,230.3 425.4,240.05 431.95,246.6 435.2,246.6 441.2,252.6 v1(441.2,255.3)
  Bottom Layer w0.2: DD4.13@424.35,228.5 426,228.5 v1(426.6,229.1)
FMC_D24: DD4.42 DR11.6 | length 44.5
  Top Layer w0.2: DR11.6@440.4,253.25 440.4,254.3 v1(440.4,254.5)
  Layer 2 w0.2: v1(416.9,228.5) 419.495,228.5 421.05,230.055 421.05,236.255 431.745,246.95 435.045,246.95 439.95,251.855 439.95,254.05 v1(440.4,254.5)
  Bottom Layer w0.2: DD4.42@412.85,228.5 v1@416.925,228.5
FMC_D25: DD4.44 DR11.5 | length 45.1
  Top Layer w0.2: DR11.5@439.6,253.25 v1(439.6,255.3)
  Layer 2 w0.2: v1(416.907,229.711) 420.211,229.711 420.7,230.2 420.7,236.4 431.6,247.3 434.9,247.3 439.6,252 v1(439.6,255.3)
  Bottom Layer w0.2: DD4.44@412.85,230.1 416.518,230.1 v1(416.907,229.711)
FMC_D26: DD4.45 DR14.8 | length 39.3
  Top Layer w0.2: DR14.8@438.5,253.25 438.5,254.3 v1(438.5,254.5)
  Layer 2 w0.2: v1(416.9,231.7) 420.35,235.15 420.35,236.55 431.45,247.65 434.755,247.65 438.5,251.395 v1(438.5,254.5)
  Bottom Layer w0.2: DD4.45@412.85,230.9 416.1,230.9 v1(416.9,231.7)
FMC_D27: DD4.47 DR14.7 | length 39.2
  Top Layer w0.2: DR14.7@437.7,253.25 v1(437.7,255.3)
  Layer 2 w0.2: v1(417.6,234) 417.6,234.6 431,248 434.61,248 437.7,251.09 v1(437.7,255.3)
  Bottom Layer w0.2: DD4.47@412.85,232.5 414.8,232.5 416.3,234 v1(417.6,234)
FMC_D28: DD4.48 DR12.6 | length 25.4
  Top Layer w0.2: DR12.6@417.9,253.25 417.9,254.3 v1(417.9,254.5)
  Bottom Layer w0.2: DD4.48@412.85,233.3 414.4,233.3 417.9,236.8 v1(417.9,254.5)
FMC_D29: DD4.50 DR12.5 | length 24.8
  Top Layer w0.2: DR12.5@417.1,253.25 v1(417.1,255.3)
  Bottom Layer w0.2: DD4.50@412.85,234.9 413.9,234.9 417.1,238.1 v1(417.1,255.3)
FMC_D30: DD4.51 DR2.4 | length 13.8
  Top Layer w0.2: v1(401,234.1) 401.2,234.1 DR2.4@402.25,234.1
  Bottom Layer w0.2: v1(401,234.1) 402.6,235.7 DD4.51@412.85,235.7
FMC_D31: DD4.53 DR2.3 | length 17.1
  Top Layer w0.2: v1(400.2,233.3) DR2.3@402.25,233.3
  Bottom Layer w0.2: v1(400.2,233.3) 400.2,234.6 402.75,237.15 412.7,237.15 DD4.53@412.85,237.3
FMC_NBL0: DD3.15 DR4.6 | length 42.9
  Top Layer w0.2: v1(423.4,242) 424.1,241.3 428.5,241.3 441.325,228.475 v1(441.325,226.9) ; DR4.6@423.4,253.25 423.4,254.3 v1(423.4,254.5)
  Bottom Layer w0.2: v1(423.4,242) v1(423.4,254.5) ; v1(441.325,226.9) DD3.15@445.35,226.9
FMC_NBL1: DD3.39 DR4.5 | length 36.5
  Top Layer w0.2: v1(422.6,241) 424,239.6 424,234.9 v1(432.8,226.1) ; DR4.5@422.6,253.25 v1(422.6,255.3)
  Bottom Layer w0.2: v1(422.6,241) v1(422.6,255.3) ; v1(432.8,226.1) DD3.39@433.85,226.1
FMC_NBL2: DD4.15 DR12.8 | length 33
  Top Layer w0.2: DR12.8@419.5,253.25 419.5,254.3 v1(419.5,254.5)
  Bottom Layer w0.2: v1(419.5,254.5) 419.05,254.05 419.05,229.25 421.4,226.9 DD4.15@424.35,226.9
FMC_NBL3: DD4.39 DR12.7 | length 35.5
  Top Layer w0.2: DR12.7@418.7,253.25 v1(418.7,255.3)
  Bottom Layer w0.2: DD4.39@412.85,226.1 415.9,226.1 418.7,228.9 v1(418.7,255.3)
FMC_SDCKE0: DD3.37 DD4.37 DR9.3 | length 39.1
  Top Layer w0.2: v1(408.275,214.125) 408.125,214.125 408.075,214.075 DR9.3@410.35,214.075
  Layer 2 w0.2: v1(408.275,214.125) 408.275,215.55 417.225,224.5 v1(418.3,224.5) 418.875,223.925 424.05,223.925 424.625,224.5 v1(432,224.5)
  Bottom Layer w0.2: DD4.37@412.85,224.5 v1(418.3,224.5) ; v1(432,224.5) DD3.37@433.85,224.5
FMC_SDCLK: DD3.38 DD4.38 DR13.1 | length 47.4
  Top Layer w0.2: DR13.1@449.25,234.5 450.3,234.5 v1(450.5,234.5)
  Layer 1 w0.2: v1(417.5,225.3) 422.6,225.3 423.625,224.275 430.675,224.275 431.45,225.05 433.725,225.05 433.975,225.3 v1(435.7,225.3) 440.325,225.3 440.9,224.725 443.33,224.725 449.9,231.295 449.9,233.9 v1(450.5,234.5)
  Bottom Layer w0.2: DD4.38@412.85,225.3 v1(417.5,225.3) ; DD3.38@433.85,225.3 v1(435.7,225.3)
FMC_SDNCAS: DD3.17 DD4.17 DR4.8 | length 57.4
  Top Layer w0.2: v1(420,233) 420.75,232.25 420.75,231.65 426.2,226.2 v1(426.2,225.3) ; DR4.8@425,253.25 425,254.3 v1(425,254.5)
  Layer 2 w0.2: v1(426.2,225.3) 433.35,225.3 434.125,224.525 438.075,224.525 438.85,225.3 v1(441.625,225.3)
  Bottom Layer w0.2: v1(420,233) 420,236.925 425.8,242.725 425.8,253.7 v1(425,254.5) ; DD4.17@424.35,225.3 v1(426.2,225.3) ; v1(441.625,225.3) DD3.17@445.35,225.3
FMC_SDNE0: DD3.19 DD4.19 DR9.2 | length 45.3
  Top Layer w0.2: v1(409.2,213.275) DR9.2@410.35,213.275
  Layer 2 w0.2: v1(409.2,213.275) 409.2,215.3 417.45,223.55 425.033,223.55 425.183,223.7 v1(426.2,223.7) 433.35,223.7 434.125,222.925 438.075,222.925 438.85,223.7 v1(441.625,223.7)
  Bottom Layer w0.2: DD4.19@424.35,223.7 v1(426.2,223.7) ; v1(441.625,223.7) DD3.19@445.35,223.7
FMC_SDNRAS: DD3.18 DD4.18 R72.1 | length 48.7
  Top Layer w0.2: R72.1@421.2,204.925 420.425,204.925 420.1,205.25 420.1,208.5 v1(423.1,211.5)
  Layer 1 w0.2: v1(422.5,224.5) 423.925,223.075 430.4,223.075 431.2,223.875 433.275,223.875 433.9,224.5 v1(439.975,224.5)
  Bottom Layer w0.2: v1(423.1,211.5) 421.45,213.15 421.45,223.45 v1(422.5,224.5) DD4.18@424.35,224.5 ; v1(439.975,224.5) DD3.18@445.35,224.5